# Altium PCB AL1000.PcbDoc (part 4 of 4)
Units mil, origin at the board's own origin, x right, y up, seen from the top; angles counter-clockwise.
Board outline 8277.75 x 4143.89 mil, 4 copper layers (Component Side, Ground Plane, Power Plane, Solder Side), stack 33.234 mil thick; 499 components, 375 nets, 1599 pads, 423 vias.
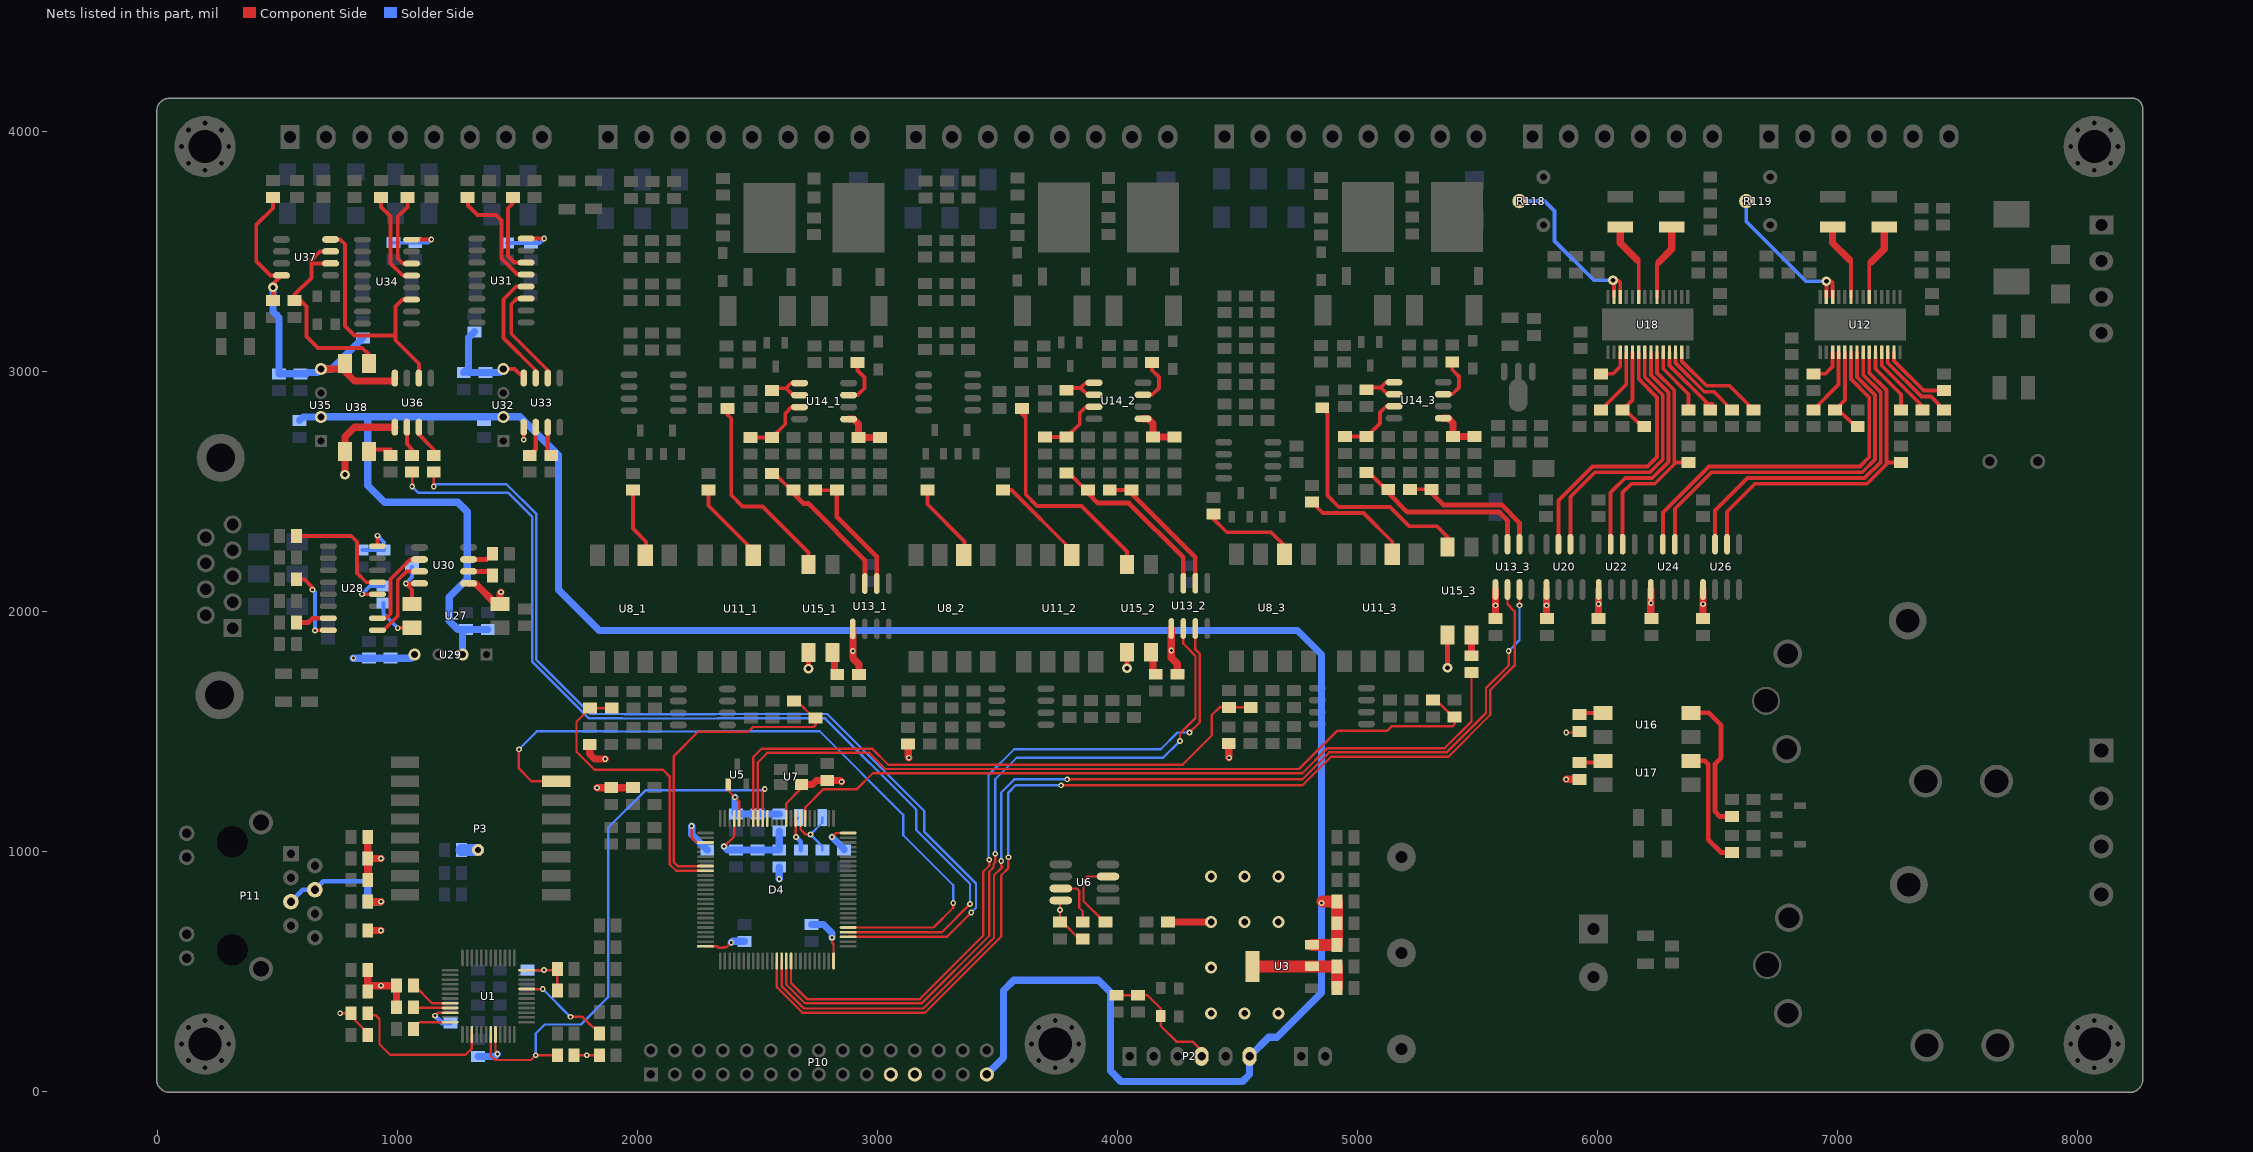
[diagram p6: the nets of this part, all layers, seen from the top]

## Via types
v1: diameter 24, hole 12, Component Side to Solder Side, tented both sides, 191 vias
v2: diameter 40, hole 20, Component Side to Solder Side, 79 vias
v3: diameter 24, hole 12, Component Side to Solder Side, 73 vias
v4: diameter 40, hole 20, Component Side to Solder Side, tented both sides, 29 vias
v5: diameter 50, hole 28, Component Side to Solder Side, 27 vias
v6: diameter 50, hole 24, Component Side to Solder Side, tented both sides, 10 vias
v7: diameter 50, hole 28, Component Side to Solder Side, tented both sides, 10 vias
v8: diameter 50, hole 25, Component Side to Solder Side, 3 vias
v9: diameter 50, hole 24, Component Side to Solder Side, 1 vias

## Nets (pads, with @x,y where several pads share a name; then routed paths per layer and width w, separated by ;. In a path a pad name is that pad's centre, name@x,y a point inside that pad or via, vN(x,y) a via of type N, cw(c..) or ccw(c..) an arc to the next point about the centre after c; other vN are vias at no path point) (continued)
NetR15_1: R15.1 U1.44 | length 379.5
  Component Side w10: U1.44@1537.44,425.87 v1(1604.13,425.87) ; v1(1720.36,310) 1769.96,310 R15.1@1839.96,240
  Solder Side w10: v1(1604.13,425.87) 1604.49,425.87 v1(1720.36,310)
NetR17_1: R17.1 U1.21 | length 154.7
  Component Side w10: R17.1@1065.04,350 1067.91,347.13 U1.21@1218.54,347.13
NetR18_1: R18.1 U1.20 | length 183.8
  Component Side w10: R18.1@1065.04,440 1070,440 1143.19,366.81 U1.20@1218.54,366.81
NetR20_1: R20.1 U1.27 | length 636.8
  Component Side w10: R20.1@875.04,325 882.77,317.27 907.73,317.27 924,301 924,195.54 967.54,152 1282.46,152 1309.09,178.64 U1.27@1309.09,236.89
NetR23_2: R23.2 U1.24 | length 165.1
  Component Side w10: R23.2@1065.04,260 1093.11,288.07 U1.24@1218.54,288.07
NetR28_1: R28.1 U6.7 | length 217.2
  Component Side w10: U6.7@3763.15,845 3830,845 3840,835 3840,765 3855,750 R28.1@3855,705
NetR30_1: R30.1 U6.3 | length 323.1
  Component Side w10: R30.1@3950,705 3945,705 3858,792 3858,878 3875,895 U6.3@3960,895
NetR33_1_2: R33_1.2 U8_1.2 | length 324.6
  Component Side w16: R33_1.2@1980,2504.96 1980,2345 2035,2290 2035,2237.09 U8_1.2@2031.77,2233.86 U8_1.2@2031.77,2263.19
NetR33_2_2: R33_2.2 U8_2.2 | length 366
  Component Side w16: R33_2.2@3207.36,2506.38 3207.36,2446.42 3362.36,2291.42 3362.36,2238.5 U8_2.2@3359.13,2235.28 U8_2.2@3359.13,2264.61
NetR33_3_2: R33_3.2 U8_3.2 | length 398.2
  Component Side w16: R33_3.2@4400,2404.96 4400,2384.8 4455,2329.8 4640.2,2329.8 4695,2275 U8_3.2@4695,2237.48
NetR39_1_2: R39_1.2 U11_1.2 | length 348.5
  Component Side w16: R39_1.2@2295,2504.96 2295,2440 2481.77,2253.23 U11_1.2@2481.77,2233.86
NetR39_2_2: R39_2.2 U11_2.2 | length 410.4
  Component Side w16: R39_2.2@3522.36,2506.38 3557.4,2506.38 3809.13,2254.65 U11_2.2@3809.13,2235.28
NetR39_3_2: R39_3.2 U11_3.2 | length 455.8
  Component Side w16: R39_3.2@4810,2454.92 4854.92,2410 5025,2410 5145,2290 U11_3.2@5145,2237.48
NetR46_1_2: R46_1.2 R54_1.1 U13_1.7 | length 642.7
  Component Side w16: R54_1.1@2560,2575.04 2569.96,2575.04 2640.04,2504.96 R46_1.2@2650,2504.96
  Component Side w20: R46_1.2@2650,2504.96 2650,2490 2690,2450 2710,2450 2946.77,2213.23 U13_1.7@2946.77,2115.91
NetR46_2_2: R46_2.2 R54_2.1 U13_2.7 | length 748.6
  Component Side w16: R54_2.1@3787.36,2576.46 3797.32,2576.46 3867.4,2506.38 R46_2.2@3877.36,2506.38
  Component Side w20: R46_2.2@3877.36,2506.38 3877.36,2491.42 3917.36,2451.42 4047.36,2451.42 4274.13,2224.65 U13_2.7@4274.13,2117.32
NetR46_3_2: R46_3.2 R54_3.1 U13_3.7 | length 777.8
  Component Side w16: R54_3.1@5038.23,2578.66 5048.19,2578.66 5118.27,2508.58 R46_3.2@5128.23,2508.58
  Component Side w20: R46_3.2@5128.23,2508.58 5128.23,2493.62 5208.23,2413.62 5591.38,2413.62 5625,2380 U13_3.7@5625,2280
NetR48_1_1: R48_1.1 R53_1.1 U14_1.3 | length 283.1
  Component Side w16: R53_1.1@2470,2725.04 R48_1.1@2560,2725.04 2615,2780.04 2615,2825 2641.38,2851.38 U14_1.3@2674.41,2851.38
NetR48_2_1: R48_2.1 R53_2.1 U14_2.3 | length 283.1
  Component Side w16: R53_2.1@3697.36,2726.46 R48_2.1@3787.36,2726.46 3842.36,2781.46 3842.36,2826.42 3868.74,2852.8 U14_2.3@3901.77,2852.8
NetR48_3_1: R48_3.1 R53_3.1 U14_3.3 | length 283.1
  Component Side w16: R53_3.1@4948.23,2728.66 R48_3.1@5038.23,2728.66 5093.23,2783.66 5093.23,2828.62 5119.61,2855 U14_3.3@5152.64,2855
NetR49_1_2: R49_1.2 U14_1.1 U14_1.2 | length 197.9
  Component Side w16: R49_1.2@2560,2930.04 2618.66,2930.04 ; U14_1.1@2669.45,2956.34 U14_1.1@2674.41,2951.38 2640,2951.38 2618.66,2930.04 ; U14_1.2@2674.41,2901.38 2647.32,2901.38 2618.66,2930.04
NetR49_2_2: R49_2.2 U14_2.1 U14_2.2 | length 197.9
  Component Side w16: R49_2.2@3787.36,2931.46 3846.02,2931.46 ; U14_2.1@3896.81,2957.76 U14_2.1@3901.77,2952.8 3867.36,2952.8 3846.02,2931.46 ; U14_2.2@3901.77,2902.8 3874.68,2902.8 3846.02,2931.46
NetR49_3_2: R49_3.2 U14_3.1 U14_3.2 | length 197.9
  Component Side w16: R49_3.2@5038.23,2933.66 5096.89,2933.66 ; U14_3.1@5147.68,2959.96 U14_3.1@5152.64,2955 5118.23,2955 5096.89,2933.66 ; U14_3.2@5152.64,2905 5125.55,2905 5096.89,2933.66
NetR50_2: R50.2 U12.17 | length 152.4
  Component Side w16: R50.2@6900,2990.04 6950.04,2990.04 6980,3020 U12.17@6980,3080
NetR56_1_2: R56_1.2 U14_1.7 | length 195.8
  Component Side w16: U14_1.7@2879.13,2901.38 2916.38,2901.38 2945,2930 2945,2975 2916.77,3003.23 R56_1.2@2916.77,3036.34
NetR56_2_2: R56_2.2 U14_2.7 | length 195.8
  Component Side w16: U14_2.7@4106.5,2902.8 4143.74,2902.8 4172.36,2931.42 4172.36,2976.42 4144.13,3004.65 R56_2.2@4144.13,3037.76
NetR56_3_2: R56_3.2 U14_3.7 | length 195.8
  Component Side w16: U14_3.7@5357.36,2905 5394.61,2905 5423.23,2933.62 5423.23,2978.62 5395,3006.85 R56_3.2@5395,3039.96
NetR57_1_2: R57_1.2 R61_1.1 U13_1.6 | length 548.1
  Component Side w16: R61_1.1@2740,2504.96 R57_1.2@2830,2504.96
  Component Side w20: R57_1.2@2830,2504.96 2830,2395 2996.77,2228.23 U13_1.6@2996.77,2115.91
NetR57_2_2: R57_2.2 R61_2.1 U13_2.6 | length 589.6
  Component Side w16: R61_2.1@3967.36,2506.38 R57_2.2@4057.36,2506.38
  Component Side w20: R57_2.2@4057.36,2506.38 4057.36,2491.42 4324.13,2224.65 U13_2.6@4324.13,2117.32
NetR57_3_2: R57_3.2 R61_3.1 U13_3.6 | length 612.7
  Component Side w16: R61_3.1@5218.23,2508.58 R57_3.2@5308.23,2508.58
  Component Side w20: R57_3.2@5308.23,2508.58 5308.23,2493.62 5358.23,2443.62 5600.98,2443.62 5675,2369.6 U13_3.6@5675,2280
NetR59_1_1: R59_1.1 R60_1.1 U14_1.5 | length 195.5
  Component Side w30: U14_1.5@2879.13,2801.38 2900,2801.38 2920,2781.38 R59_1.1@2920,2725.04 R60_1.1@3010,2725.04
NetR59_2_1: R59_2.1 R60_2.1 U14_2.5 | length 195.5
  Component Side w30: U14_2.5@4106.5,2802.8 4127.36,2802.8 4147.36,2782.8 R59_2.1@4147.36,2726.46 R60_2.1@4237.36,2726.46
NetR59_3_1: R59_3.1 R60_3.1 U14_3.5 | length 195.5
  Component Side w30: U14_3.5@5357.36,2805 5378.23,2805 5398.23,2785 R59_3.1@5398.23,2728.66 R60_3.1@5488.23,2728.66
NetR65_1_2: R65_1.2 U15_1.4 | length 813.3
  Component Side w16: 2375,2819.96 2390,2804.96 2390,2485 2437.5,2437.5 2520,2437.5 2711.77,2245.73 U15_1.4@2711.77,2194.49
NetR65_2_2: R65_2.2 U15_2.4 | length 925
  Component Side w16: 3602.36,2821.38 3617.36,2806.38 ; 3617.36,2816.38 3617.36,2806.38 ; U15_2.4@4039.13,2195.91 4039.13,2250 3850.22,2438.92 3664.86,2438.92 3617.36,2486.42 3617.36,2806.38
NetR65_3_2: R65_3.2 U15_3.4 | length 1002.6
  Component Side w16: R65_3.2@4853.23,2848.58 4875,2826.81 4875,2784.33 4874.23,2783.56 4874.23,2482.62 4921.85,2435 5135,2435 5215,2355 5330,2355 5375,2310 U15_3.4@5375,2268.07 U15_3.4@5375,2255
NetR67_1_2: R67_1.2 U15_1.2 | length 100.2
  Component Side w30: U15_1.2@2811.77,1828.35 2820.06,1820.06 2820.06,1748.17 R67_1.2@2831.77,1736.46
NetR67_2_2: R67_2.2 U15_2.2 | length 100.2
  Component Side w30: U15_2.2@4139.13,1829.76 4147.42,1821.48 4147.42,1749.59 R67_2.2@4159.13,1737.87
NetR67_3_2: R67_3.2 U15_3.2 | length 81.7
  Component Side w30: U15_3.2@5475,1901.93 5475,1831.97 R67_3.2@5483.29,1823.68
NetR68_1: R68.1 U16.1 | length 101.2
  Component Side w16: R68.1@5925,1570.04 5931.97,1577.01 U16.1@6023.27,1577.01
NetR69_1: R69.1 U17.1 | length 101.2
  Component Side w16: R69.1@5925,1370.04 6016.3,1370.04 U17.1@6023.27,1377.01
NetR70_1: R70.1 U16.4 | length 595.8
  Component Side w20: U16.4@6389.41,1577.01 6462.99,1577.01 6515,1525 6515,1390 6490,1365 6490,1165 6510.04,1144.96 R70.1@6560,1144.96
NetR71_1: R71.1 U17.4 | length 513.4
  Component Side w20: U17.4@6389.41,1377.01 6447.99,1377.01 6462,1363 6462,1047.96 6515,994.96 R71.1@6560,994.96
NetR74_2: R74.2 U12.18 | length 283.5
  Component Side w16: R74.2@6900,2840.04 7005,2945.04 U12.18@7005,3080
NetR75_2: R75.2 U18.17 | length 152.4
  Component Side w16: R75.2@6015,2990.04 6065.04,2990.04 6095,3020 U18.17@6095,3080
NetR76_2: R76.2 R77.1 U12.19 | length 381
  Component Side w16: U12.19@7031,3080 7031,2881.04 R76.2@6990,2840.04 7004.96,2840.04 7075.04,2769.96 R77.1@7085,2769.96
NetR78_2: R78.2 U18.18 | length 283.5
  Component Side w16: R78.2@6015,2840.04 6120,2945.04 U18.18@6120,3080
NetR79_2: R79.2 R80.1 U18.19 | length 376
  Component Side w16: U18.19@6146,3080 6146,2881.04 R79.2@6105,2840.04 6114.96,2840.04 6185.04,2769.96 R80.1@6195,2769.96
NetR81_2: R81.2 U12.23 U26.6 | length 1440.9
  Component Side w16: U26.6@6540,2280 6540,2415 6656.75,2531.75 7123.57,2531.75 7205,2613.18 7205,2625 ; U12.23@7133,3080 7133,2993.82 7205,2921.82 7205,2690 ; 7205.04,2690.04 7205,2690 ; R81.2@7265,2619.96 7210.04,2619.96 7205,2625 ; 7205,2625 7205,2690
NetR82_2: R82.2 U18.6 | length 317.7
  Component Side w16: U18.6@6248,3310 6248,3448 6256.5,3456.5
  Component Side w30: 6256.5,3456.5 6310,3510 R82.2@6310,3602.01
NetR83_2: R83.2 U18.9 | length 323.9
  Component Side w16: 6165,3465 6172,3458 U18.9@6172,3310
  Component Side w30: R83.2@6095,3602.01 6095,3535 6165,3465
NetR84_2: R84.2 U12.24 | length 283.9
  Component Side w16: U12.24@7159,3080 7159,3011 7265,2905 R84.2@7265,2840.04
NetR85_2: R85.2 U18.23 U22.6 | length 1038.5
  Component Side w16: U22.6@6105,2280 6105,2495 6141.75,2531.75 6238.57,2531.75 6320,2613.18 ; U18.23@6248,3080 6248,2993.82 6320,2921.82 6320,2840 ; 6320.04,2840.04 6320,2840 ; R85.2@6380,2619.96 6326.78,2619.96 6320,2613.18 ; 6320,2613.18 6320,2840
NetR87_1: R87.1 U27.2 | length 190.3
  Component Side w16: v1(1000,1930) 1001.34,1931.34 U27.2@1059.92,1931.34
  Solder Side w16: R87.1@940,2034.96 940,1990 v1(1000,1930)
NetR87_2: R87.2 U28.12 | length 166.8
  Component Side w16: v1(851.34,2071.34) U28.12@915.51,2071.34
  Solder Side w16: v1(851.34,2071.34) 885.04,2105.04 R87.2@940,2105.04
NetR88_2: R88.2 U28.7 | length 140
  Component Side w20: R88.2@578.03,1953.86 627.52,1953.86 645,1971.34 U28.7@710.79,1971.34
NetR89_2: R89.2 U28.13 | length 493.4
  Component Side w16: R89.2@578.03,2313.86 806.14,2313.86 830,2290 830,2160 868.66,2121.34 U28.13@915.51,2121.34
NetR90_2: R90.2 U30.2 | length 106.4
  Component Side w20: U30.2@1295.35,2166.34 1378.62,2166.34 R90.2@1394.96,2150
NetR91_2: R91.2 U28.8 | length 321.5
  Component Side w16: R91.2@578.03,2133.86 611.14,2133.86 645,2100 v1(645,2090) ; v1(655,1920) 656.34,1921.34 U28.8@710.79,1921.34
  Solder Side w16: v1(645,2090) 655,2080 v1(655,1920)
NetR92_1: R92.1 U30.3 | length 109.4
  Component Side w20: U30.3@1295.35,2216.34 1371.3,2216.34 R92.1@1394.96,2240
NetR94_2: R94.2 U31.14 | length 314.9
  Component Side w16: 1478.99,3700 1458.99,3680 1458.99,3481.01 1486.14,3453.86 U31.14@1535.35,3453.86
NetR95_2: R95.2 U31.13 | length 489
  Component Side w16: R95.2@1292.99,3726.3 1292.99,3691.34 1332.99,3651.34 1410,3651.34 1432.99,3628.35 1432.99,3470.24 1499.37,3403.86 U31.13@1535.35,3403.86
NetR96_2: R96.2 U33.2 | length 128
  Component Side w20: R96.2@1550,2650.04 1575,2675.04 U33.2@1575,2767.64
NetR97_1: R97.1 U33.3 | length 123.8
  Component Side w20: U33.3@1625,2767.64 1625,2665.04 R97.1@1640,2650.04
NetR99_2: R99.2 U34.14 | length 337.8
  Component Side w16: R99.2@1040,3724.96 1040,3685 1000,3645 1000,3470 1020.59,3449.41 U34.14@1057.72,3449.41
NetR100_2: R100.2 U34.13 | length 400.2
  Component Side w16: R100.2@930,3724.96 930,3685 970,3645 970,3450 1020.59,3399.41 U34.13@1057.72,3399.41
NetR101_2: R101.2 U36.2 | length 101.7
  Component Side w16: U36.2@1037.99,2767.64 1037.99,2697.05 1060,2675.04
NetR102_1: R102.1 U36.3 | length 118.3
  Component Side w16: U36.3@1087.99,2767.64 1087.99,2737.05 1150,2675.04
NetR105_2: R105.2 U38.2 | length 114.9
  Component Side w16: U38.2@860,2686.93 871.89,2675.04 970,2675.04
NetR107_1: R107.1 U37.2 U37.3 U38.3 | length 888.9
  Component Side w16: U37.2@720,3450 645,3450 640,3445 ; U37.3@720,3500 675,3500 640,3465 640,3445 ; U38.3@880,3033.07 880,3070 852,3098 667,3098 620,3145 620,3270 594.96,3295.04 R107.1@570,3295.04 570,3320 640,3390 640,3445
NetR109_2: R109.2 U12.25 | length 310.4
  Component Side w16: U12.25@7185,3080 7185,3025 7355,2855 R109.2@7355,2840.04
NetR110_2: R110.2 U18.24 | length 283.9
  Component Side w16: U18.24@6274,3080 6274,3011 6380,2905 R110.2@6380,2840.04
NetR111_2: R111.2 U12.26 | length 360.8
  Component Side w16: U12.26@7210,3080 7210,3035 7350,2895 7390.04,2895 R111.2@7445,2840.04
NetR112_2: R112.2 U18.25 | length 368.7
  Component Side w16: U18.25@6300,3080 6300,3025 6460,2865 ; R112.2@6470,2840.04 R112.2@6470,2845 ; 6480,2865 6460,2865 ; 6460,2865 6450,2865 R112.2@6470,2845 ; 6460,2865 6470,2855 R112.2@6470,2845
NetR113_2: R113.2 U12.27 | length 296.4
  Component Side w16: U12.27@7236,3080 7236,3044 7360,2920 7444.92,2920 R113.2@7445,2919.92
NetR114_2: R114.2 U18.26 | length 360.8
  Component Side w16: U18.26@6325,3080 6325,3035 6445,2915 6485.04,2915 R114.2@6560,2840.04
NetR115_2: R115.2 U18.27 | length 419.5
  Component Side w16: U18.27@6351,3080 6351,3044 6455,2940 6550.04,2940 R115.2@6650,2840.04
NetR116_2: R116.2 U12.6 | length 317.7
  Component Side w16: U12.6@7133,3310 7133,3448 7141.5,3456.5
  Component Side w30: 7141.5,3456.5 7195,3510 R116.2@7195,3602.01
NetR117_2: R117.2 U12.9 | length 323.9
  Component Side w16: 7050,3465 7057,3458 U12.9@7057,3310
  Component Side w30: R117.2@6980,3602.01 6980,3535 7050,3465
NetR118_2: R118.2 U18.12 U18.13 | length 765.7
  Component Side w16: U18.13@6069,3310 6069,3376 v2(6065,3380) 6085,3380 6095,3370 U18.12@6095,3310
  Solder Side w16: R118.2@5675,3710 5780,3710 5821,3669 5821,3544 5985,3380 v2(6065,3380)
NetR119_2: R119.2 U12.12 U12.13 | length 662.3
  Component Side w16: U12.13@6954,3310 v2(6954,3376) ; v2@6970,3380 6980,3370 U12.12@6980,3310
  Solder Side w16: R119.2@6620,3710 6620,3625 6869,3376 v2(6954,3376)
NetU12_20: U12.20 U24.7 | length 1556.3
  Component Side w16: U24.7@6272.5,2280 6272.5,2411.44 6464.81,2603.75 7093.75,2603.75 7133,2643 7133,2892 7057,2968 U12.20@7057,3080
NetU12_21: U12.21 U24.6 | length 1545.2
  Component Side w16: U24.6@6322.5,2280 6322.5,2427.5 6474.75,2579.75 7103.69,2579.75 7157,2633.06 7157,2901.94 7082,2976.94 U12.21@7082,3080
NetU12_22: U12.22 U26.7 | length 1402.3
  Component Side w16: U26.7@6490,2280 6490,2420 6625.75,2555.75 7113.63,2555.75 7181,2623.12 7181,2911.88 7108,2984.88 U12.22@7108,3080
NetU18_20: U18.20 U20.7 | length 1135.8
  Component Side w16: U20.7@5837.5,2280 5837.5,2461.44 5980.06,2604 6094.94,2604 6095.19,2603.75 6208.75,2603.75 6248,2643 6248,2892 6172,2968 U18.20@6172,3080
NetU18_21: U18.21 U20.6 | length 1124.5
  Component Side w16: U20.6@5887.5,2280 5887.5,2477.5 5990,2580 6085,2580 ; 6085,2579.75 6218.69,2579.75 6272,2633.06 6272,2901.94 6197,2976.94 U18.21@6197,3080
NetU18_22: U18.22 U22.7 | length 996
  Component Side w16: U22.7@6055,2280 6055,2494.62 6116.13,2555.75 6228.63,2555.75 6296,2623.12 6296,2911.88 6223,2984.88 U18.22@6223,3080
NetU28_9: U28.9 U30.7 | length 364.5
  Component Side w16: U28.9@915.51,1921.34 941.34,1921.34 1000,1980 1000,2130 1036.34,2166.34 U30.7@1090.63,2166.34
NetU28_10: U28.10 U30.6 | length 360.9
  Component Side w16: U28.10@915.51,1971.34 951.34,1971.34 970,1990 970,2133.94 1052.4,2216.34 U30.6@1090.63,2216.34
NetU31_11: U31.11 U33.6 | length 442.8
  Component Side w16: U31.11@1535.35,3303.86 1496.85,3303.86 1472.99,3280 1472.99,3157.01 1625,3005 U33.6@1625,2972.36
NetU31_12: U31.12 U33.7 | length 500.8
  Component Side w16: U31.12@1535.35,3353.86 1493.86,3353.86 1440.47,3300.47 1440.47,3139.53 1575,3005 U33.7@1575,2972.36
NetU34_11: U34.11 U36.6 U37.4 | length 1051.6
  Component Side w16: U37.4@720,3550 760,3550 780,3530 780,3190 820,3150 990,3150 ; U34.11@1057.72,3299.41 1019.41,3299.41 990,3270 990,3150 ; U36.6@1087.99,2973.7 1087.99,3032.01 990,3130 990,3150
PC0: D4.15
PC1: D4.16 R3.1 U1.31 | length 2380.2
  Component Side w10: U1.31@1387.83,236.89 1387.83,146.81 1404.64,130 1555,130 v1(1575,150) R3.1@1654.96,150 ; D4.16@2520.94,1137.24 2520.94,1250.94 v1(2530,1260)
  Solder Side w10: v1(1575,150) 1575,240 1613,278 1763.36,278 1877,391.64 1877,1097.91 2034.09,1255 2525,1255 v1(2530,1260)
PC2: C46_3.2 D4.17 R42_3.2 | length 3408.8
  Component Side w10: D4.17@2501.26,1137.24 2500.09,1138.42 2500.09,1370.09 2540,1410 2965,1410 3032,1343 4756.24,1343 4914.86,1501.62 5123.14,1501.62 5143.14,1521.62 5396.23,1521.62 5405,1530.39 C46_3.2@5405,1560 5397.31,1560 5327.23,1630.08 R42_3.2@5315,1630.08
PC3: C42_3.2 D4.18 R37_3.2 | length 2519.9
  Component Side w10: D4.18@2481.57,1137.24 2481.57,1392.39 2517.19,1428 2977,1428 3044,1361 4271,1361 4392.5,1482.5 4392.5,1567.5 4425,1600 C42_3.2@4465,1600 R37_3.2@4555,1600
PC4: C46_1.2 D4.33 R42_1.2 | length 1374.8
  Component Side w10: D4.33@2282.76,938.43 2166.22,938.43 2151,953.64 2151,1397.37 2251.63,1498 2459.91,1498 2479.91,1518 2733,1518 2741.77,1526.77 C46_1.2@2741.77,1556.38 2734.08,1556.38 2664,1626.46 R42_1.2@2651.77,1626.46
PC5: C42_1.2 D4.34 R37_1.2 | length 1252.5
  Component Side w10: R37_1.2@1891.77,1596.38 C42_1.2@1801.77,1596.38 1745,1539.61 1745,1415 1820,1340 2105,1340 2133,1312 2133,946.19 2160.45,918.74 D4.34@2282.76,918.74
PC6: D4.63 U13_3.2 | length 4552.2
  Component Side w10: D4.63@2580,542.76 2580,433.28 2686.28,327 3197.46,327 3515,644.54 3515,900 3545,930 v3(3545,975) ; v3(3765,1275) 4770.91,1275 4889.91,1394 5378.64,1394 5553.5,1568.86 5553.5,1672.15 5655,1773.65 5655,2000 5625,2030 U13_3.2@5625,2091.02
  Solder Side w10: v3(3545,975) 3545,1245 3575,1275 v3(3765,1275)
PC7: D4.64 U13_3.3 | length 4502
  Component Side w10: D4.64@2599.68,542.76 2599.68,439.05 2693.73,345 3190,345 3485,640 3485,900 3520,935 3515,940 v3(3515,959.75) ; v3(3790,1300) 4770.46,1300 4882.46,1412 5371.19,1412 5535.5,1576.31 5535.5,1680 5630,1774.5 v3(5630,1835) ; v3(5675,2025) U13_3.3@5675,2091.02
  Solder Side w10: v3(3515,959.75) 3515,1245 3570,1300 v3(3790,1300) ; v3(5630,1835) 5675,1880 v3(5675,2025)
PC8: D4.65 U13_2.2 | length 3108.1
  Component Side w10: D4.65@2619.37,542.76 2619.37,444.82 2698.19,366 3182.81,366 3465,648.19 3465,914.54 3483,932.54 3483,947.64 3490,954.64 v1(3490,990) ; v3(4260,1460) 4260,1490.36 4289.64,1520 4290,1520 4325,1555 4325,1814.13 4274.13,1865 U13_2.2@4274.13,1928.35
  Solder Side w10: v1(3490,990) 3490,1300 3580,1390 4190,1390 v3(4260,1460)
PC9: D4.66 U13_2.3 | length 3081.2
  Component Side w10: D4.66@2639.06,542.76 2639.06,450.59 2705.64,384 3175.35,384 3440,648.65 3440,915 3465,940 v1(3465,965) ; v3(4300,1495) 4343,1538 4343,1821.59 4324.13,1840.46 U13_2.3@4324.13,1928.35
  Solder Side w10: v1(3465,965) 3462,968 3462,1317.46 3569.54,1425 4180,1425 4250,1495 v3(4300,1495)
PC10: D4.78 R102.2 | length 4104.2
  Component Side w10: v1(1150,2520) R102.2@1150,2579.96 ; D4.78@2877.24,643.15 3288.15,643.15 v1(3390,745)
  Solder Side w10: v1(1150,2520) 1160,2530 1453.09,2530 1578,2405.09 1578,1797.91 1803.91,1572 1942.46,1572 1943.04,1571.42 2325.26,1571.42 2325.85,1572 2790.09,1572 3195,1167.09 3195,1080.47 3410,865.47 3410,765 v1(3390,745)
PC11: D4.79 R101.1 | length 4116.2
  Component Side w10: v1(1060,2520) R101.1@1060,2579.96 ; D4.79@2877.24,662.83 3267.83,662.83 v1(3385,780)
  Solder Side w10: v1(1060,2520) 1085,2495 1460,2495 1560,2395 1560,1790.46 1796.46,1554 1935,1554 1935.58,1553.42 2332.72,1553.42 2333.3,1554 2781,1554 3161,1174 3161,1089.01 3385,865.01 v1(3385,780)
PC12: D4.80 P3.15 | length 2979.5
  Component Side w10: v1(1505,1425) 1505,1345 1558.15,1291.85 P3.15@1659.96,1291.85 ; D4.80@2877.24,682.52 3232.52,682.52 3315,765 v1(3315,785)
  Solder Side w10: v1(1505,1425) 1580,1500 1912.63,1500 1913.22,1499.42 2355.09,1499.42 2355.67,1500 2758.63,1500 3107,1151.63 3107,1066.65 3315,858.65 v1(3315,785)
PC13: D4.7 R67_3.1 | length 3174.8
  Component Side w10: D4.7@2698.11,1137.24 2698.11,1183.11 2774.13,1259.13 2914.13,1259.13 2980,1325 4770,1325 4875,1430 5363.73,1430 5475,1541.27 R67_3.1@5475,1744.96
PC14: C30.1 D4.8 Y1.2 | length 272.2
  Component Side w10: D4.8@2678.43,1137.24 2678.43,1091.57 2700,1070 v1(2720,1070)
  Solder Side w10: Y1.2@2769.21,1140 2769.21,1119.21 v1(2720,1070) 2770,1020 C30.1@2770,1005.04
PC15: C29.2 D4.9 Y1.1 | length 225.5
  Component Side w10: D4.9@2658.74,1137.24 2658.74,1061.26 v1(2660,1060)
  Solder Side w10: v1(2660,1060) 2660,1129.21 Y1.1@2670.79,1140
  Solder Side w20: v1(2660,1060) 2680,1040 C29.2@2680,1005.04
RS5V1: C72.1 C74.1 C75.1 C78.1 C79.2 U27.1 U28.16 U29.4 U30.8 | length 698.3
  Component Side w16: U28.16@915.51,2271.34 v1(915.51,2315.51) ; U27.1@1059.92,2031.34 1059.92,2090.08 v1(1033.66,2116.34) U30.8@1090.63,2116.34
  Solder Side w16: C72.1@852.99,2256.38 942.99,2256.38 942.99,2288.03 v1(915.51,2315.51) ; v1(1033.66,2116.34) 1060,2142.68 C75.1@1060,2184.96
  Solder Side w30: v1(814.96,1804.96) C79.2@880,1804.96 C78.1@970,1804.96 1054.96,1804.96 U29.4@1070,1820
RS5V2: C83.1 C85.1 C86.1 C88.1 C89.2 U31.16 U32.4 U33.8 | length 682.1
  Component Side w16: U32.4@1440,3010 1450,3000 1460,3010 1487.36,3010 U33.8@1525,2972.36 ; U31.16@1535.35,3553.86 v1(1610.47,3553.86)
  Solder Side w16: C83.1@1455,3535.04 1591.65,3535.04 v1(1610.47,3553.86)
  Solder Side w30: C89.2@1275,2995.04 1295,3015.04 1295,3140 C85.1@1320,3165 ; C89.2@1295,2995.04 C86.1@1365,2995.04 ; C86.1@1370,2995.04 1425.04,2995.04 U32.4@1440,3010
RS5V3: C93.1 C95.1 C96.1 C100.1 C101.2 C102.2 R104.1 U34.16 U35.4 U36.8 U37.8 U38.4 | length 1906.4
  Component Side w16: C102.2@480,3295.04 v4(480,3350) 480,3364.72 U37.8@515.28,3400 470,3400 410,3460 410,3610 480,3680 R104.1@480,3724.96 ; U36.8@987.99,2972.36 U36.8@987.99,2973.7 ; U34.16@1057.72,3549.41 1139.41,3549.41 v1(1140,3550)
  Component Side w30: U35.4@680,3010 770,3010 820,2960 975.63,2960 U36.8@987.99,2972.36
  Solder Side w16: C93.1@982.99,3536.38 C96.1@1072.99,3536.38 1126.38,3536.38 v1(1140,3550)
  Solder Side w30: v4(480,3350) 480,3250 505,3225 C101.2@505,2990.04 C100.1@595,2990.04 620,2990.04 625,2995.04 665.04,2995.04 U35.4@680,3010 725.04,3010 C95.1@855,3139.96
VCC3V3: C1.1 C2.1 C7.1 C8.1 C9.1 C19.2 C20.2 C31.2 C32.2 C48_1.2 C48_2.2 C48_3.2 C57.1 C63.2 C64.2 C65.2 C66.2 C103.2 C104.2 C105.2 D4.11 D4.28 D4.50 D4.75 D4.100 D5.1 D27.A L3.1 L4.2 L5_1.1 L5_2.1 L5_3.1 P2.4 P10.21 P10.23 P11.4 P11.5 R1.2 R2.2 R3.2 R4.2 R5.2 R6.2 R7.2 R8.2 R9.2 R10.2 R17.2 R18.2 R19.2 R20.2 R21.2 R26.2 R27.2 R28.2 R29.1 R68.2 R69.2 R124.2 U1.22 U1.32 U1.48 U3.2 U3.4 U6.8 U7.4 U13_1.1 U13_2.1 U13_3.1 U15_1.1 U15_2.1 U15_3.1 U20.1 U22.1 U24.1 U26.1 U27.4 U30.1 U33.1 U36.1 U38.1 | length 7151.9
  Component Side w10: v1(760,325) 792.73,325 875.04,242.69 R9.2@875.04,235 ; v1(1155,315) 1167.44,327.44 U1.22@1218.54,327.44 ; U1.32@1407.52,236.89 1407.52,162.48 v1(1415,155) ; U1.48@1537.44,504.61 1609.61,504.61 v1(1610,505) 1659.96,505 R1.2@1664.96,510 R2.2@1664.96,420 ; R3.2@1735.04,150 v1(1787.5,150) R4.2@1839.96,150 ; v1(2225,1105) 2225,1058.19 2246.34,1036.85 D4.28@2282.76,1036.85 ; D4.50@2282.76,603.78 2330.87,603.78 2336.18,598.46 2356.89,598.46 2358.43,600 2370,600 v1(2390,620) ; D4.11@2619.37,1137.24 2619.37,1199.37 2683.31,1263.31 U7.4@2683.31,1278.5 ; v1(2810,640) 2810,620 2816.22,613.78 D4.75@2816.22,542.76 ; v1(2810,1060) 2826.22,1076.22 D4.100@2877.24,1076.22 ; U6.8@3763.15,795 3760,791.85 v1(3760,755) C31.2@3760,705.04 3769.96,705.04 3840.08,634.92 R28.2@3855,634.92 ; R26.2@3995,400.04 R27.2@4085,400.04 4124.96,400.04 4180,345 D5.1@4180,313.86 4180,272 4245,207 4313,207 4350,170 P2.4@4350,145 ; v1(5870,1495) v1@5881.13,1495 ; 5883.06,1493.06 v1@5881.13,1495 ; R68.2@5925,1499.96 5924.96,1500 5919.96,1495 v1@5881.13,1495
  Component Side w16: v1(1525,2715) U33.1@1525,2767.64
  Component Side w20: v4(2711.77,1761.42) U15_1.1@2711.77,1828.35 ; v4(4039.13,1762.83) U15_2.1@4039.13,1829.76 ; v4(5375,1765.04) U15_3.1@5375,1901.93
  Component Side w30: v4(780,2570) U38.1@780,2666.93 780,2727.64 820,2767.64 U36.1@987.99,2767.64 ; R21.2@875.04,415 R19.2@875.04,505 ; R7.2@875.04,670 v1(930,670) ; R8.2@875.04,790 v1(930,790) ; R6.2@875.04,880 R5.2@875.04,970 ; R10.2@875.04,1060 R5.2@875.04,970 ; R21.2@895.04,440 v1(930,440) R18.2@994.96,440 R17.2@994.96,350 ; v1(930,970) R5.2@875.04,970 ; U30.1@1295.35,2116.34 1323.66,2116.34 1408.66,2031.34 U27.4@1426.06,2031.34 1426.06,2076.06 v1(1430,2080) ; L5_1.1@1800,1444.96 1800,1405 1820,1385 v1(1865,1385) ; v1(1830.04,1265.04) R29.1@1890,1265.04 ; R29.1@1910.04,1265.04 D27.A@1980,1265.04 ; U7.4@2683.31,1278.5 2728.5,1278.5 2745,1295 2789.96,1295 C32.2@2790,1294.96 2845.04,1294.96 v1(2850,1290) ; U13_1.1@2896.77,1926.93 v1(2896.77,1835) 2896.77,1805 2921.77,1780 C48_1.2@2921.77,1736.46 ; L5_2.1@3127.36,1446.38 3127.36,1392.64 v3(3130,1390) ; R124.2@4210,705.04 v7(4390,705) v7(4390,705) ; U13_2.1@4224.13,1928.35 v1(4224.13,1836.42) 4224.13,1806.42 4249.13,1781.42 C48_2.2@4249.13,1737.87 ; L5_3.1@4463.23,1448.58 4463.23,1391.77 v3(4465,1390) ; C48_3.2@5575,1970.04 v3(5575,2025) U13_3.1@5575,2091.02 ; U20.1@5787.5,2091.02 v3(5787.5,2025) 5787.5,1972.54 C63.2@5790,1970.04 ; v3(5870,1300) 5870.04,1299.96 R69.2@5925,1299.96 ; C64.2@6005,1970.04 v3(6005,2030.53) U22.1@6005,2091.02 ; U24.1@6222.5,2091.02 v3(6222.5,2035) 6222.5,1972.54 C65.2@6225,1970.04 ; C66.2@6440,1970.04 v3(6440,2030) U26.1@6440,2091.02
  Component Side w50: U3.4@4562,520 U3.2@4810,520 C19.2@4914.96,520 C20.2@4914.96,430
  Solder Side w10: C9.1@1540,505.04 v1(1610,505) v1(1610,505) ; C103.2@2287.5,1002.54 C103.2@2290,1000.04
  Solder Side w20: P11.5@555,790 605,840 P11.4@655,840 690,875 870.04,875 875.04,880 ; v1(1155,315) 1185.04,284.96 C8.1@1220,284.96
  Solder Side w30: v1(930,790) C1.1@875.04,790 875.04,880 C2.1@875.04,970 v1(930,970) ; C7.1@1335,144.96 1404.96,144.96 v1(1415,155) ; v1(2225,1105) 2225,1070.04 C103.2@2290,1005.04 ; v1(2390,620) 2394.96,624.96 C57.1@2445,624.96 ; v1(2590,885) L3.1@2590,934.96 ; C104.2@2725,695.04 2774.96,695.04 2810,660 v1(2810,640) ; v1(2810,1060) 2860,1010 C105.2@2860,1005.04
  Solder Side w50: L4.2@1265.04,1005 v6(1335,1005)
  other v7: 4390,325 4530,325 4670,325 4390,515 4530,705 4670,705 4390,895 4530,895 4670,895
VCC5V: C17.2 C18.2 C76.2 C77.1 C87.1 C99.1 L1.2 P2.6 P10.29 U3.3 U29.2 U32.2 U35.2 | length 10563.3
  Component Side w50: U3.3@4810,610 C18.2@4914.96,610 C17.2@4914.96,700 L1.2@4914.96,790 v1@4855,790
  Solder Side w30: C99.1@590,2795.04 604.96,2810 U35.2@680,2810 680.64,2810.64 875,2810.64 ; U29.2@1270,1820 1270,1909.96 C76.2@1285,1924.96 ; C77.1@1375,1924.96 C76.2@1285,1924.96 ; P10.29@3455,70 3525,140 3525,420 3567.22,462.22 3920,462.22 3970,412.22 3970,85 4015,40 4520,40 4550,70 P2.6@4550,145 4630,225 4665,225 4850,410 v1(4850,785) 4850,1820 4750,1920 1840,1920 1670,2090 1670,2650.64 1510,2810.64 875,2810.64 ; 875,2810.64 875,2525 945,2455 1250,2455 1290,2415 1290,2135 1215,2060 1215,1960 1250.04,1924.96 C76.2@1285,1924.96
VDDA: C27.2 C28.1 D4.22 L3.2 R25.1 | length 451.1
  Component Side w10: v1(2360,1020) 2402.83,1062.83 D4.22@2402.83,1137.24
  Solder Side w30: v1(2360,1020) 2374.96,1005.04 C28.1@2410,1005.04 C27.2@2500,1005.04 L3.2@2590,1005.04 R25.1@2590,1084.96
VREF: C25.2 C26.1 D4.21 R25.2 U5.1 | length 412.1
  Component Side w10: U5.1@2377.6,1278.66 2377.6,1252.4 v1(2405,1225) 2422.52,1207.48 D4.21@2422.52,1137.24
  Solder Side w30: v1(2405,1225) 2405,1160.04 C26.1@2410,1155.04 C25.2@2500,1155.04 R25.2@2590,1155.04
pads on no net: D4.13 D4.73 LS1.2 LS1.6 LS2.2 LS2.6 P3.3 P3.4 P3.5 P3.6 P3.7 P3.10 P3.11 P3.12 P3.13 P3.14 P11.7 P11.A P11.B P13.1 P13.6 P13.7 P13.8 P13.9 U1.1 U1.5 U1.6 U1.8 U1.9 U1.10 U1.11 U1.12 U1.25 U1.33 U1.38 U1.40 U1.41 U1.42 U1.45 U1.46 U5.3 U7.1 U8_1.7 U8_1.8 U8_2.7 U8_2.8 U8_3.7 U8_3.8 U11_1.7 U11_1.8 U11_2.7 U11_2.8 U11_3.7 U11_3.8 U12.14 U28.14 U31.7 U31.9 U34.7 U34.9

## Polygon pours and split planes (outlines as drawn)
GND24V on Solder Side "Component Side-No Net" (solid, pour order 0): 7570,4140 7570,3745 7660,3655 8290,3655 8290,2537.5 7172.5,2537.5 6980,2275 5580,2275 5365,2060 3895,2060 1905,2060 1795,2170 1785,2180 1785,4160
GND24V on Component Side "Component Side-No Net" (solid, pour order 4): 5625,3890 7570,3890 7570,3735 7645,3660 7965,3340 8285,3340 8285,2540 8280,2535 7185,2535 6910,2260 5635,2260 5630,2265
GRS2 on Ground Plane (split plane): 1689.92,2885.08 1255.08,2885.08 1255.08,4118.78 1689.92,4118.78
GRS3 on Ground Plane (split plane): 1204.92,2885.08 480.39,2885.08 385.08,2980.39 385.08,3685 420,3685 420,4118.78 1204.92,4118.78
GND24V on Ground Plane (split plane): 7500,3220 8252.63,3220 8252.63,2275 6976.38,2275 6976.38,15.08 5630.08,15.08 5630.08,819.26 5720.74,909.92 6185,909.92 6190.61,910.24 6196.14,911.18 6201.54,912.73 6206.73,914.88 6211.64,917.6 6216.22,920.85 6220.41,924.59 6285.41,989.59 6289.15,993.78 6292.4,998.36 6295.12,1003.27 6297.27,1008.46 6298.82,1013.86 6299.76,1019.39 6300.08,1025 6300.08,1519.26 6665.41,1884.59 6669.15,1888.78 6672.4,1893.36 6675.12,1898.27 6677.27,1903.46 6678.38,1907.3 6678.82,1908.86 6679.76,1914.39 6680.08,1920 6680.08,2160 6679.76,2165.61 6678.82,2171.14 6677.27,2176.54 6675.12,2181.73 6672.4,2186.64 6669.15,2191.22 6665.41,2195.41 6661.22,2199.15 6656.64,2202.4 6651.73,2205.12 6646.54,2207.27 6641.14,2208.82 6635.61,2209.76 6630,2210.08 5490,2210.08 5484.39,2209.76 5483.59,2209.63 5478.86,2208.82 5473.46,2207.27 5468.27,2205.12 5463.36,2202.4 5458.78,2199.15 5454.59,2195.41 5320.63,2061.46 1899.37,2061.46 1790.08,2170.74 1790.08,4118.78 7500,4118.78
GRS1 on Ground Plane (split plane): 464.92,2565 465.23,2561.08 466.15,2557.25 467.66,2553.62 469.71,2550.26 472.27,2547.27 647.27,2372.27 650.26,2369.71 653.62,2367.66 655.12,2367.03 657.25,2366.15 660.16,2365.45 661.08,2365.23 665,2364.92 1194.92,2364.92 1194.92,2310 1194.92,1620.08 590,1620.08 586.08,1619.77 585.16,1619.55 582.25,1618.85 580.12,1617.97 578.62,1617.34 575.26,1615.29 573.88,1614.11 572.27,1612.73 434.61,1475.08 15.08,1475.08 15.08,2834.92 464.92,2834.92
GND on Ground Plane (split plane): 334.92,2970 335.23,2966.08 336.15,2962.25 337.66,2958.62 339.71,2955.26 342.27,2952.27 409.46,2885.08 15.08,2885.08 15.08,3685 334.92,3685
GND on Ground Plane (split plane): 1689.92,2150 1690.24,2144.39 1691.18,2138.86 1692.73,2133.46 1694.88,2128.27 1697.6,2123.36 1700.85,2118.78 1704.59,2114.59 1708.29,2111.28 1711.6,2107.58 1843.21,1975.97 1847.4,1972.22 1851.98,1968.98 1856.89,1966.26 1862.08,1964.11 1867.48,1962.55 1872.21,1961.75 1873.01,1961.61 1878.62,1961.3 5341.38,1961.3 5346.99,1961.61 5352.52,1962.55 5357.92,1964.11 5363.11,1966.26 5368.02,1968.98 5372.6,1972.22 5376.79,1975.97 5510.74,2109.92 6579.92,2109.92 6579.92,1940.74 6214.59,1575.41 6210.85,1571.22 6207.6,1566.64 6204.88,1561.73 6202.73,1556.54 6201.18,1551.14 6200.24,1545.61 6199.92,1540 6199.92,1045.74 6164.26,1010.08 5700,1010.08 5694.39,1009.76 5688.86,1008.82 5683.46,1007.27 5678.27,1005.12 5673.36,1002.4 5668.78,999.15 5664.59,995.41 5544.59,875.41 5540.85,871.22 5537.6,866.64 5534.88,861.73 5532.73,856.54 5531.18,851.14 5530.24,845.61 5529.92,840 5529.92,15.08 730,15.08 730,1265 15.08,1265 15.08,1424.92 445,1424.92 448.92,1425.23 452.75,1426.15 456.38,1427.66 459.74,1429.71 462.73,1432.27 600.39,1569.92 1220,1569.92 1223.92,1570.23 1227.75,1571.15 1231.38,1572.66 1234.74,1574.71 1237.73,1577.27 1240.29,1580.26 1242.34,1583.62 1243.85,1587.25 1244.77,1591.08 1245.08,1595 1245.08,2310 1245.08,2390 1244.77,2393.92 1243.85,2397.75 1242.34,2401.38 1240.29,2404.74 1237.73,2407.73 1234.74,2410.29 1231.38,2412.34 1227.75,2413.85 1223.92,2414.77 1220,2415.08 675.39,2415.08 515.08,2575.39 515.08,2834.92 1689.92,2834.92
RS5V2 on Power Plane (split plane): 1689.92,2885.08 1255.08,2885.08 1255.08,4118.78 1689.92,4118.78
RS5V3 on Power Plane (split plane): 1204.92,2885.08 480.39,2885.08 385.08,2980.39 385.08,3685 420,3685 420,4118.78 1204.92,4118.78
24V+ on Power Plane (split plane): 7500,3220 8252.63,3220 8252.63,2275 6976.38,2275 6976.38,15.08 5630.08,15.08 5630.08,819.26 5720.74,909.92 6185,909.92 6190.61,910.24 6196.14,911.18 6201.54,912.73 6206.73,914.88 6211.64,917.6 6216.22,920.85 6220.41,924.59 6283.95,988.13 6287.7,992.32 6290.95,996.9 6293.66,1001.81 6295.81,1007 6297.37,1012.4 6298.31,1017.94 6298.62,1023.54 6298.62,1517.8 6665.41,1884.59 6669.15,1888.78 6672.4,1893.36 6675.12,1898.27 6677.27,1903.46 6678.82,1908.86 6679.76,1914.39 6680.08,1920 6680.08,2160 6679.76,2165.61 6678.82,2171.14 6677.27,2176.54 6675.12,2181.73 6672.4,2186.64 6669.15,2191.22 6665.41,2195.41 6661.22,2199.15 6656.64,2202.4 6651.73,2205.12 6646.54,2207.27 6641.14,2208.82 6635.61,2209.76 6630,2210.08 5490,2210.08 5484.39,2209.76 5483.59,2209.63 5478.86,2208.82 5473.46,2207.27 5468.27,2205.12 5463.36,2202.4 5458.78,2199.15 5454.59,2195.41 5320.63,2061.46 1899.37,2061.46 1790.08,2170.74 1790.08,4118.78 7500,4118.78
RS5V1 on Power Plane (split plane): 464.92,2565 465.23,2561.08 466.15,2557.25 467.66,2553.62 469.71,2550.26 472.27,2547.27 647.27,2372.27 650.26,2369.71 653.62,2367.66 655.12,2367.03 657.25,2366.15 660.16,2365.45 661.08,2365.23 665,2364.92 1194.92,2364.92 1194.92,2310 1194.92,1620.08 590,1620.08 586.08,1619.77 585.16,1619.55 582.25,1618.85 580.12,1617.97 578.62,1617.34 575.26,1615.29 573.88,1614.11 572.27,1612.73 434.61,1475.08 15.08,1475.08 15.08,2834.92 464.92,2834.92
VCC3V3 on Power Plane (split plane): 334.92,2970 335.23,2966.08 336.15,2962.25 337.66,2958.62 339.71,2955.26 342.27,2952.27 409.46,2885.08 15.08,2885.08 15.08,3685 334.92,3685
VCC3V3 on Power Plane (split plane): 1689.92,2150 1690.24,2144.39 1691.18,2138.86 1692.73,2133.46 1694.88,2128.27 1697.6,2123.36 1700.85,2118.78 1704.59,2114.59 1843.21,1975.97 1847.4,1972.22 1851.98,1968.98 1856.89,1966.26 1862.08,1964.11 1867.48,1962.55 1873.01,1961.61 1878.62,1961.3 5341.38,1961.3 5346.99,1961.61 5352.52,1962.55 5357.92,1964.11 5363.11,1966.26 5368.02,1968.98 5372.6,1972.22 5376.79,1975.97 5510.74,2109.92 6579.92,2109.92 6579.92,1940.74 6213.13,1573.95 6209.39,1569.77 6206.14,1565.19 6203.42,1560.27 6201.27,1555.08 6199.72,1549.69 6198.78,1544.15 6198.46,1538.54 6198.46,1044.29 6164.26,1010.08 5700,1010.08 5694.39,1009.76 5688.86,1008.82 5683.46,1007.27 5678.27,1005.12 5673.36,1002.4 5668.78,999.15 5664.59,995.41 5544.59,875.41 5540.85,871.22 5537.6,866.64 5534.88,861.73 5532.73,856.54 5531.18,851.14 5530.24,845.61 5529.92,840 5529.92,15.08 730,15.08 730,1265 15.08,1265 15.08,1424.92 445,1424.92 448.92,1425.23 452.75,1426.15 456.38,1427.66 459.74,1429.71 462.73,1432.27 600.39,1569.92 1220,1569.92 1223.92,1570.23 1227.75,1571.15 1231.38,1572.66 1234.74,1574.71 1237.73,1577.27 1240.29,1580.26 1242.34,1583.62 1243.85,1587.25 1244.77,1591.08 1245.08,1595 1245.08,2310 1245.08,2390 1244.77,2393.92 1243.85,2397.75 1242.34,2401.38 1240.29,2404.74 1237.73,2407.73 1234.74,2410.29 1231.38,2412.34 1227.75,2413.85 1223.92,2414.77 1220,2415.08 675.39,2415.08 515.08,2575.39 515.08,2834.92 1689.92,2834.92

## Keep-outs
Keep-Out Layer:
  lines w10: 0,39.37 0,4083.86 cw(c50,4083.86) 50,4133.86 8228.35,4133.86 cw(c8228.35,4094.49) 8267.72,4094.49 8267.72,50 ; 0,50 ccw(c50,50) 50,0 8228.35,0

## Other copper
Component Side:
  rectangle net VCC3V3: 4345,275 4755,945
Ground Plane (plane layer: these items are gaps in the copper):
  rectangle: 0,3685 420,4140
  rectangle: 0,0 730,1265
  rectangle: 7500,3220 8260,4130
  rectangle: 6976.38,-10 8272.73,2275
  lines w50: -5.01,1450 445,1450 590,1595 1220,1595 1220,2310 1220,2390 665,2390 490,2565 490,2860 ; -5.01,2860 470,2860 ; 360,4133.86 360,2970 470,2860 ; 1230,2860 1230,4133.86 ; 1740,2860 1260,2860 470,2860
  lines w100: 1740,2150 1740,4133.86 ; 1747.01,2142.99 1878.62,2011.38 5341.38,2011.38 5490,2160 6630,2160 6630,1920 6250,1540 6250,1025 6185,960 5700,960 5580,840 5580,0
Power Plane (plane layer: these items are gaps in the copper):
  rectangle: 0,3685 420,4140
  rectangle: 0,0 730,1265
  rectangle: 6976.38,-10 8272.73,2275
  rectangle: 7500,3220 8260,4130
  lines w50: 0,1450 445,1450 590,1595 1220,1595 1220,2310 1220,2390 665,2390 490,2565 490,2860 0,2860 ; 360,4133.86 360,2970 470,2860 1260,2860 1740,2860 ; 1230,2860 1230,4133.86
  lines w100: 1740,4133.86 1740,2150 1878.62,2011.38 5341.38,2011.38 5490,2160 6630,2160 6630,1920 6248.54,1538.54 6248.54,1023.54 6185,960 5700,960 5580,840 5580,0

## Silkscreen, mask and mechanical layers (free items; w line width, h text height)
Top Overlay:
  circle w10: c4527.56,3582.68 r157.48
  text "AL1000" at 3905,1240 h60
  text "Ver1.1" at 3905,1160 h60
  text "20200425" at 3845,1080 h60
Mechanical 1:
  circle w10: c4527.56,3582.68 r78.74

## Dimensions
50,4133.86 to 50,0 on Top Overlay
0,4083.86 to 8267.72,4094.49 on Top Overlay

## Text inside footprints (layer, text, board x,y; h text height)
P10: Top Overlay "1" at 1955,50 h50; Top Overlay "29" at 3520,30 h50; Top Overlay "30" at 3420,235 h50
U2: Top Overlay "+OUT" at 5432.99,1001.32 h40 r180; Top Overlay "-OUT" at 5432.99,201.32 h40 r180; Top Overlay "COM" at 5407.99,601.32 h40 r180; Top Overlay "+IN" at 6032.99,826.32 h40 r180; Top Overlay "-IN" at 6032.99,376.32 h40 r180